# KiCad board accurate2_eval.kicad_pcb (continued)
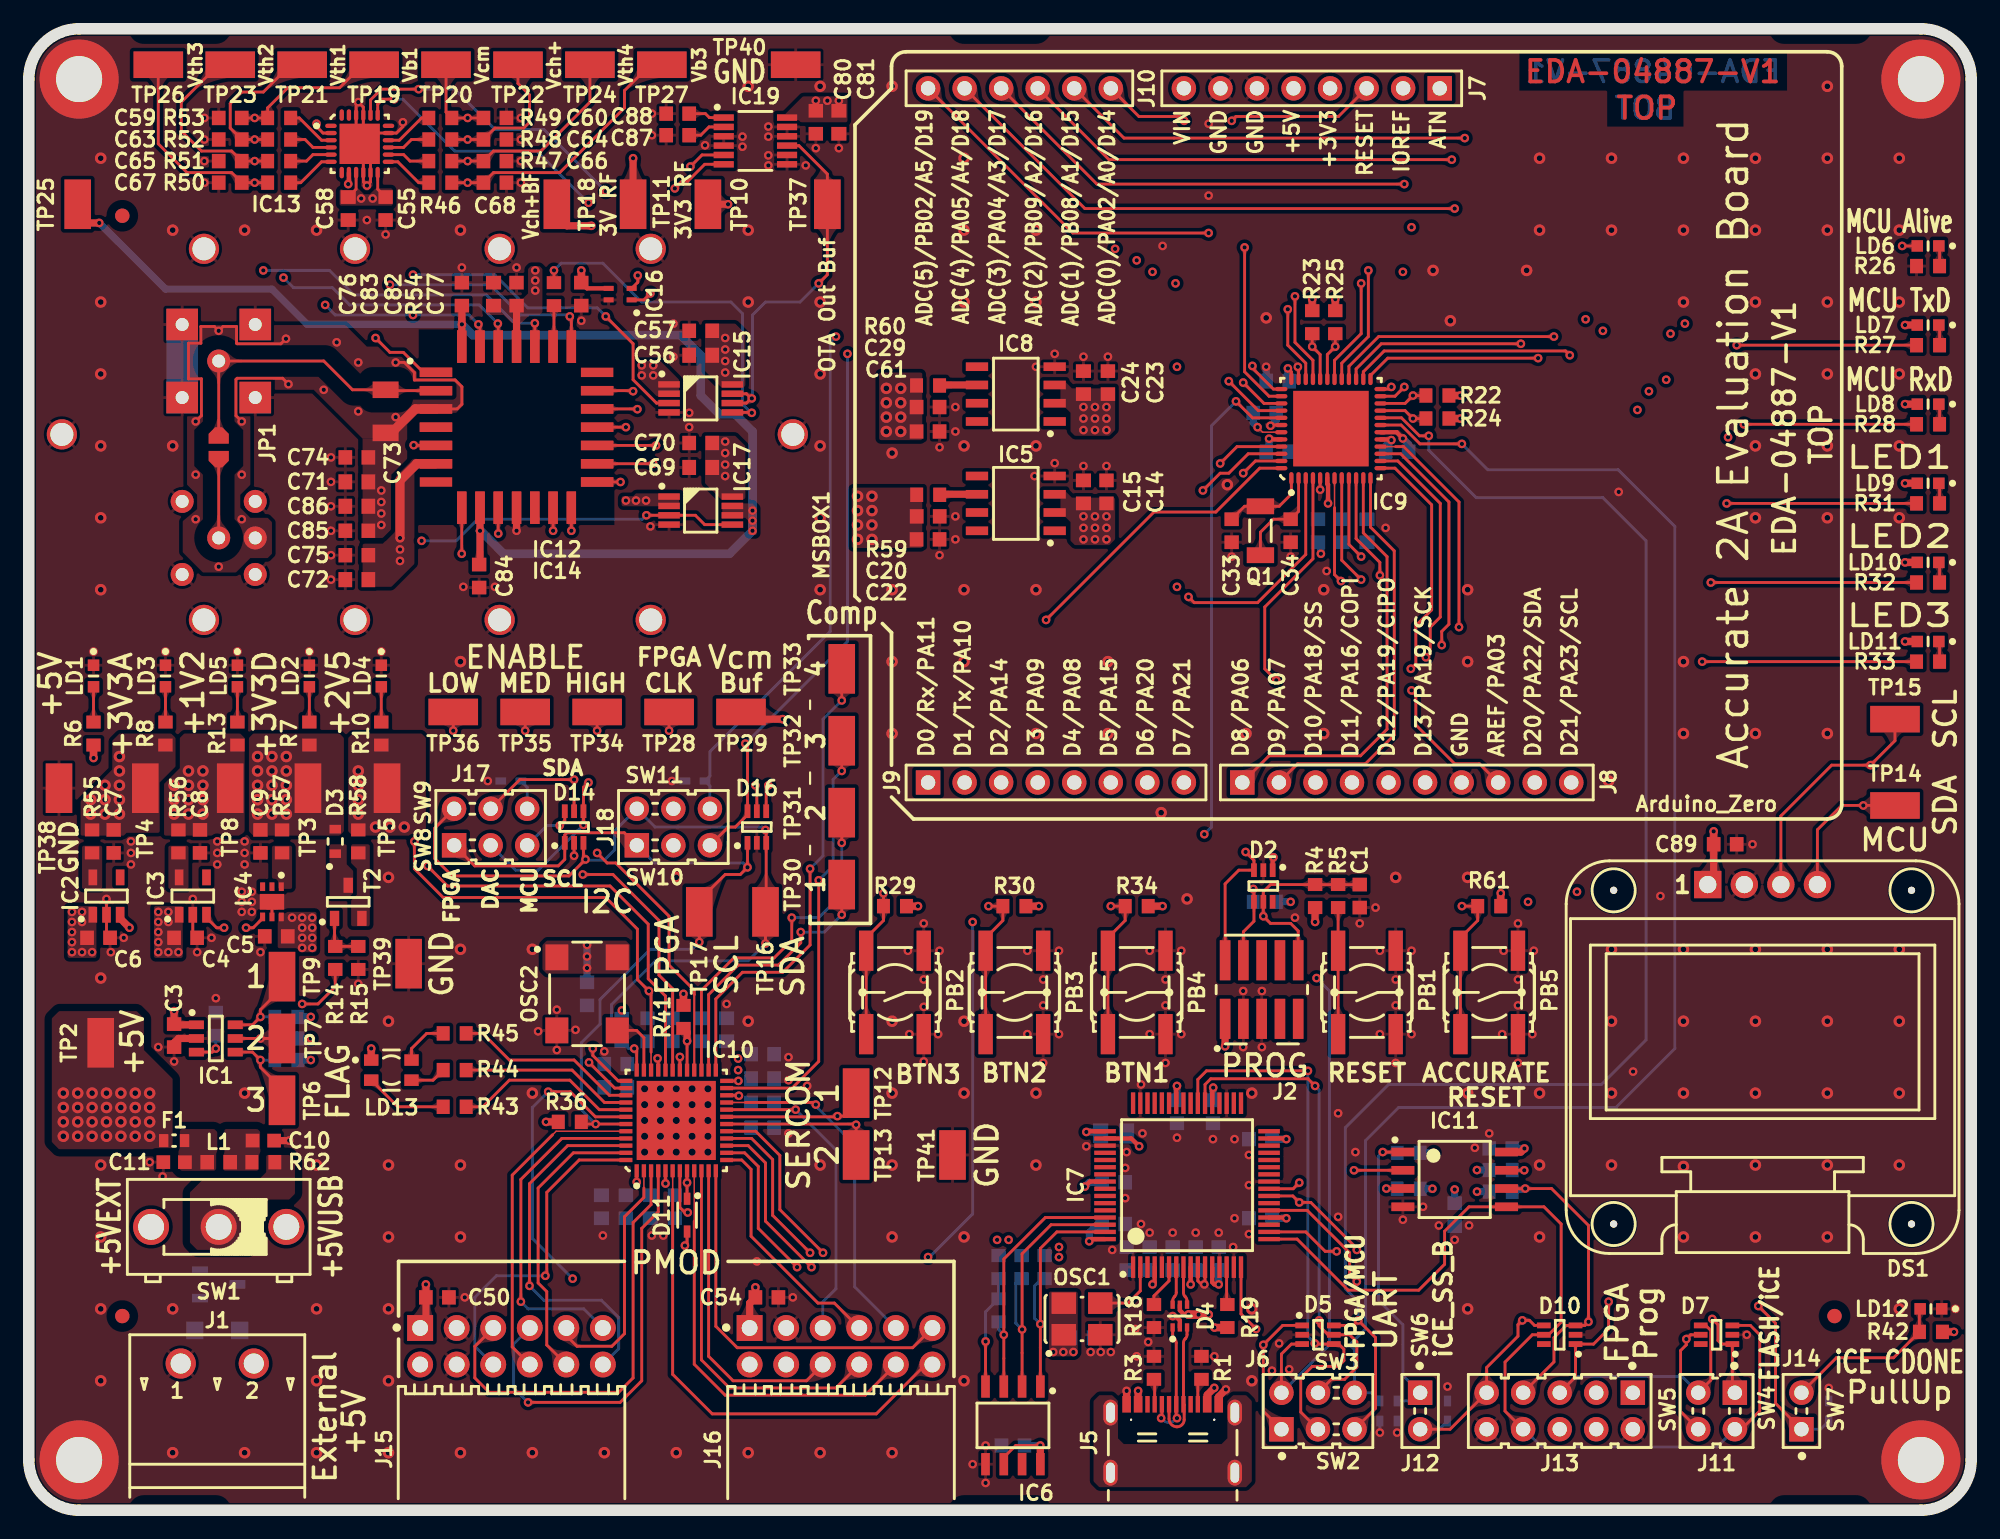
[diagram p0: board, top side]
## Routing (per net, layer and track width the routed paths; a pad name or vN(x,y) marks a point on that pad's centre or on a via; arc(x,y) is an arc through that point) (continued)
/ACCURATE ASIC/A1_Vbias1: length 35.1
  Top w0.2: C59.1 R53.2 16.6,97.5 18,98.9 21.6,98.9 23.2,100.5 TP19.1 ; v1(24.1,81.5) 25.1,80.5 26.04,80.5 27.43,79.11 IC12.1
  L4_SIG w0.2: v1(15.7,96.8) 19.3,93.2 19.3,86.3 v1(24.1,81.5)
/ACCURATE ASIC/A1_Vbias3: length 50.2
  Top w0.2: TP27.1 43.2,100.5 41.4,98.7 41.4,97.5 36.9,93 32.3,93 C68.1 R46.2 ; v1(32.63,67.9) IC12.10
  NotUsed w0.2: v1(30.5,92.3) 30.4,92.3
  L4_SIG w0.2: v1(32.63,67.9) 32.03,67.3 29.9,67.3 28.2,69 28.2,90 v1(30.5,92.3)
/ACCURATE ASIC/A1_Vcharge+: length 44.2
  Top w0.2: R48.2 C64.1 32.4,96.1 34.4,96.1 34.8,96.5 34.8,98.4 34,99.2 TP22.1 ; v1(40.1,83) 42,81.1 42,78.6 43.62,76.97 IC15.3
  L4_SIG w0.2: v1(30.5,95.3) 26.7,91.5 v1(26.7,85.9)
  Bottom w0.2: v1(40.1,83) 39.5,83.6 34.67,83.6 32.38,85.9 v1(26.7,85.9)
/ACCURATE ASIC/A1_Vcharge+_buf: length 22
  Top w0.5: v1(39.1,89.3) 37.4,89.3 36.7,90 TP18.1
  Top w0.65: v1(25.8,67.6) 25.8,71.6 26.96,72.76 IC12.6
  L3_SIG w0.5: v1(42.6,79.6) 42,79.6 39.4,82.2 39.4,89 v1(39.1,89.3)
  vias: v1(25.8,66.8) v1(25.8,66) v1(42.6,78.9) v1(43.4,79.6) v1(43.4,78.9)
/ACCURATE ASIC/A1_Vth1: length 47.7
  Top w0.2: v1(31.25,82.45) 31.36,82.34 IC12.27 ; v1(26.75,74.05) 26.77,74.03 IC12.5 ; R52.2 C63.1 14,96.1 14,97.8 14.8,98.6 16.3,98.6 18.2,100.5 TP21.1
  L4_SIG w0.2: v1(26.75,74.05) 26.7,74.1 v1(26.7,83.1) ; v1(20.6,83.8) 18.3,86.1 18.3,92.7 v1(15.7,95.3)
  Bottom w0.2: v1(20.6,83.8) 21.3,83.1 30.6,83.1 v1(31.25,82.45)
/ACCURATE ASIC/A1_Vth2: length 40.1
  Top w0.2: TP23.1 13.2,100.5 10.6,97.9 10.6,95.9 12,94.5 14.1,94.5 C65.1 R51.2 ; IC12.26 32.63,82.47 v1(32.6,82.5)
  L4_SIG w0.2: v1(17.7,85.7) 17.3,86.1 17.3,92.2 v1(15.7,93.8)
  Bottom w0.2: v1(32.6,82.5) 31.3,83.8 22.3,83.8 21.1,85 18.4,85 v1(17.7,85.7)
/ACCURATE ASIC/A1_Vth3: length 42.6
  Top w0.2: IC12.24 v1(35.17,82.53) ; R50.2 C67.1 14.1,93 11,93 9,95 TP26.1
  L4_SIG w0.2: v1(15.7,92.3) 16.3,91.7 v1(16.3,86.2)
  Bottom w0.2: v1(16.3,86.2) 20.9,86.2 22.6,84.5 31.8,84.5 33.77,82.53 v1(35.17,82.53)
/ACCURATE ASIC/A1_Vth4: length 47.1
  Top w0.2: TP24.1 39,97.9 35.6,94.5 32.3,94.5 C66.1 R47.2 ; IC12.8 v1(30.09,66.5)
  L4_SIG w0.2: v1(30.5,93.8) 27.4,90.7 27.4,68.6 29.5,66.5 v1(30.09,66.5)
/ACCURATE ASIC/ACCURATE_RESET: length 153.8
  Top w0.1: 43.25,31.85 IC10.34
  Top w0.2: PB5.1 PB5.2 99.5,39.8 100.7,41 R61.1 v1(99.6,42) ; 43.25,31.85 43.25,35.95 v1(43.1,36.1) 42.3,36.9 42.3,40.4 40.1,42.6 28.8,42.6 26.8,44.6 v1(26.8,46.5) ; 37.71,82.89 v1(37.6,83) ; IC12.22 37.71,82.84
  L3_SIG w0.2: v1(99.6,42) 97.2,39.6 60.5,39.6 59.6,38.7 45.7,38.7 v1(43.1,36.1)
  L4_SIG w0.2: v1(25.1,85.2) 25,85.1 25,65.2 26.8,63.4 v1(26.8,46.5)
  Bottom w0.2: v1(37.6,83) 37.5,83.1 34.16,83.1 32.06,85.2 v1(25.1,85.2)
/ACCURATE ASIC/ADC_SCL: length 59
  Top w0.2: 48.3,94.22 46.79,94.22 v1(45.98,93.42) ; D16.4 51.25,50.25 v1(51.4,50.4)
  L3_SIG w0.2: v1(51.4,50.4) 51.4,49.1 49.8,47.5 46.07,47.5 J18.3
  L4_SIG w0.2: v1(51.4,50.4) 51.4,55 50.9,55.5 50.9,82 45.8,87.1 45.8,93.24 v1(45.98,93.42)
/ACCURATE ASIC/ADC_SDA: length 56.1
  Top w0.2: v1(44.9,91.9) 45.4,92.4 45.8,92.4 46.97,93.58 IC19.6 ; D16.5 50.6,50.3 v1(50.5,50.4)
  L3_SIG w0.2: v1(50.5,50.4) 46.43,50.4 J18.4
  L4_SIG w0.2: v1(50.5,50.4) 50.5,54.5 49.6,55.4 49.6,82.1 44.9,86.8 v1(44.9,91.9)
/ACCURATE ASIC/Comp1: length 63.2
  Top w0.2: v1(53.65,40.2) 53.65,39.45 52.1,37.9 49.3,37.9 47.25,35.85 IC10.26 ; v1(56.5,41.4) TP30.1 ; IC12.19 42.28,76.57 v1(42.3,76.55)
  L3_SIG w0.2: v1(53.65,40.2) 53.65,61.45 42.7,72.4 42.7,76.15 v1(42.3,76.55)
  Bottom w0.2: v1(56.5,41.4) 55.3,40.2 v1(53.65,40.2)
/ACCURATE ASIC/Comp2: length 65.6
  Top w0.2: IC12.18 v1(41.5,75.3) ; IC10.27 46.75,36.15 49,38.4 51.8,38.4 53.03,39.63 v1(53.03,41.2) ; v1(56.5,46.4) TP31.1
  L3_SIG w0.2: v1(53.03,41.2) 53.03,61.07 41.8,72.3 41.8,75 v1(41.5,75.3)
  Bottom w0.2: v1(53.03,41.2) 54.9,41.2 56.5,42.8 v1(56.5,46.4)
/ACCURATE ASIC/Comp3: length 69.1
  Top w0.2: IC10.23 53.05,29.35 54.9,31.2 v1(54.9,43.8) ; v1(56.5,51.4) TP32.1 ; IC12.17 v1(43.6,74.03)
  L3_SIG w0.2: v1(54.9,43.8) 54.9,62.2 44.7,72.4 44.7,72.93 v1(43.6,74.03)
  Bottom w0.2: v1(54.9,43.8) 55.9,44.8 55.9,50.8 v1(56.5,51.4)
/ACCURATE ASIC/Comp4: length 69.7
  Top w0.2: TP33.1 v1(56.5,56.3) ; v1(54.3,44.6) 54.3,39.3 52.4,37.4 49.6,37.4 47.75,35.55 IC10.25 ; IC12.16 v1(43.4,72.76)
  L3_SIG w0.2: v1(43.4,72.76) 43.4,72.7 54.3,61.8 v1(54.3,44.6)
  Bottom w0.2: v1(54.3,44.6) 55.2,45.5 55.2,55 v1(56.5,56.3)
/ACCURATE ASIC/DAC_SCL: length 86.1
  Top w0.2: IC16.2 42.33,85.38 v1(42.33,85.85) ; v1(27.1,98.8) 24.5,98.8 23.75,98.05 IC13.20 ; v1(38.9,50.6) 38.55,50.25 D14.4 v1(38.55,47.65)
  L4_SIG w0.2: v1(38.9,50.6) 39.8,51.5 46.4,51.5 47.8,52.9 47.8,82 43.95,85.85 v1(42.33,85.85) 42.3,85.85 40.7,87.45 40.7,91.1 v1(40.1,91.7)
  Bottom w0.2: v1(40.1,91.7) 35.8,96 32.4,96 29.6,98.8 v1(27.1,98.8) ; J17.3 33.83,44.5 35.4,44.5 v1(38.55,47.65)
/ACCURATE ASIC/DAC_SDA: length 80.4
  Top w0.2: J17.4 34.13,50.8 v1(37.9,50.8) D14.5 ; v1(43.2,84.6) 42.75,84.15 IC16.1 ; v1(25.4,98.1) 24.6,98.1 24.25,97.75 IC13.19
  L4_SIG w0.2: v1(37.9,50.8) 39.4,52.3 45.6,52.3 46.7,53.4 46.7,81.8 43.9,84.6 v1(43.2,84.6) 42.3,84.6 39.85,87.05 39.85,89.95 v1(38.9,90.9)
  Bottom w0.2: v1(25.4,98.1) 26,98.1 29.6,94.5 35.3,94.5 v1(38.9,90.9)
/ACCURATE ASIC/Enable.High: length 47.6
  Top w0.15: IC10.28 46.25,35.85
  Top w0.2: v1(39.5,45.7) 40.2,45 40.8,45 44.5,41.3 44.5,37.9 46.25,36.15 46.25,35.85 ; v1(39.5,54.2) TP34.1 ; v1(41.13,71.49) IC12.15
  L3_SIG w0.2: v1(39.5,54.2) v1(39.5,45.7)
  L4_SIG w0.2: v1(39.5,54.2) 39.5,69.01 41.13,70.63 v1(41.13,71.49)
/ACCURATE ASIC/Enable.Low: length 67.7
  Top w0.2: IC12.13 v1(36.44,68.1) ; TP36.1 v1(29.5,54.2) ; IC10.32 44.25,35.75 43.05,36.95 43.05,40.75 40.4,43.4 29.1,43.4 v1(27.7,44.8)
  L3_SIG w0.2: v1(27.7,44.8) 27.7,52.4 v1(29.5,54.2)
  L4_SIG w0.2: v1(29.5,54.2) 29.5,55.9 30,56.4 30,56.75 29.71,57.05 29.71,57.4 30.06,57.75 30.41,57.75 31.35,56.81 31.71,56.81 32.06,57.17 32.06,57.52 31.12,58.46 31.12,58.81 31.47,59.17 31.83,59.17 32.77,58.23 33.12,58.23 33.47,58.58 33.47,58.94 32.54,59.87 32.54,60.23 32.89,60.58 33.24,60.58 33.54,60.29 33.89,60.29 34.8,61.2 34.8,62.25 35.05,62.5 35.46,62.5 35.71,62.75 35.71,63.25 35.46,63.5 34.14,63.5 33.89,63.75 33.89,64.25 34.14,64.5 34.55,64.5 34.8,64.75 34.8,66.46 v1(36.44,68.1)
/ACCURATE ASIC/Enable.Medium: length 59.1
  Top w0.2: TP35.1 v1(34.5,54.2) ; IC12.14 v1(37.71,68.1) ; IC10.31 44.75,36.25 43.8,37.2 43.8,41 40.6,44.2 v1(38.5,44.2)
  L3_SIG w0.2: v1(38.5,44.2) 38,44.2 36.1,46.1 36.1,52.6 v1(34.5,54.2)
  L4_SIG w0.2: v1(37.71,68.1) 37.71,67.06 37.96,66.81 38.37,66.81 38.62,66.56 38.62,66.06 38.37,65.81 37.05,65.81 36.8,65.56 36.8,65.06 37.05,64.81 38.37,64.81 38.62,64.56 38.62,64.06 38.37,63.81 37.05,63.81 36.8,63.56 36.8,63.06 37.05,62.81 38.37,62.81 38.62,62.56 38.62,62.06 38.37,61.81 37.96,61.81 37.71,61.56 37.71,60.51 36.97,59.77 36.62,59.77 36.33,60.07 35.97,60.07 35.62,59.71 35.62,59.36 36.56,58.42 36.56,58.07 36.21,57.71 35.85,57.71 34.91,58.65 34.56,58.65 34.3,58.39 34.3,58.1 34.5,57.9 v1(34.5,54.2)
/ACCURATE ASIC/FPGA_CLK: length 56.5
  Top w0.2: v1(42,77.8) 41.96,77.84 IC12.20 ; IC10.37 40.97,29.85 39.2,31.62 v1(39.2,32.1) ; TP28.1 v1(44.5,54.2)
  L3_SIG w0.2: v1(39.2,32.1) 39.2,34.3 40.77,35.87 40.77,50.47 v1(44.5,54.2)
  L4_SIG w0.2: v1(44.5,54.2) 44.75,54.45 44.75,75.05 v1(42,77.8)
/ACCURATE ASIC/FPGA_SCL: length 54
  Top w0.2: v1(46.6,39.5) TP17.1 46.6,42.4 48.4,44.2 49.45,44.2 v1(49.95,44.7) D16.1 ; 38.57,26.83 R36.1 ; IC10.43 38.72,26.85 ; J18.1 41.39,47.1 37.4,47.1 37.25,46.95 D14.1 37.25,45.25 36.8,44.8 30.99,44.8 J17.1
  Bottom w0.2: J18.1 42.27,46.23 43.5,45 49.65,45 v1(49.95,44.7) ; v1(46.6,39.5) 46.1,39 43.2,39 39.7,35.5 39.7,33.8 38.4,32.5 38.4,27.85 v1(39.4,26.85)
/ACCURATE ASIC/FPGA_SDA: length 58
  Top w0.2: v1(51.2,47.3) 51.25,47.25 D16.3 51.25,41.65 TP16.1 v1(51.2,39.4) ; IC10.36 42.25,31.93 v1(42.08,32.1) ; J17.2 28.2,47.41 28.2,45.32 29.42,44.1 37.54,44.1 v1(38.69,45.25) 38.55,45.39 D14.3
  Bottom w0.2: v1(51.2,47.3) 51,47.5 43.53,47.5 J18.2 40.7,47.21 40.7,45.9 40,45.2 38.74,45.2 v1(38.69,45.25) ; v1(51.2,39.4) 50,38.2 43.55,38.2 40.5,35.15 40.5,33.3 R35.1 41.7,32.1 v1(42.08,32.1)
/ACCURATE ASIC/MCU_SCL: length 183.9
  Top w0.2: v1(49.8,53.3) 49.95,53.15 D16.6 49.95,48.35 49.1,47.5 48.61,47.5 J18.5 ; DS1.3 121.77,48.27 125.3,51.8 v1(128,51.8) 129.7,53.5 TP15.1 ; IC9.32 89.75,80.35 v1(89.2,80.9) R23.1 ; v1(36.9,47.6) 37.25,47.95 D14.6
  L3_SIG w0.2: v1(56.9,80.4) 57.4,80.9 v1(89.2,80.9) 89.3,80.9 90.3,79.9 98.7,79.9 100.9,82.1 109.3,82.1 v1(109.4,82) ; v1(128,51.8) 108.41,51.8 J8.10
  L4_SIG w0.2: J18.5 45.81,44.7 36.17,44.7 J17.5 ; J8.10 107.2,52.48 109.4,54.67 v1(109.4,82)
  Bottom w0.2: v1(49.8,53.3) 56.9,60.4 v1(56.9,80.4) ; v1(36.9,47.6) 36.01,47.6 J17.5
/ACCURATE ASIC/MCU_SDA: length 176.4
  Top w0.2: TP14.1 126,49 124.31,47.31 DS1.4 ; IC9.31 90.25,80.35 v1(90.8,80.9) R25.1
  L3_SIG w0.2: v1(108.2,82.8) 108.1,82.9 100.5,82.9 98.5,80.9 v1(90.8,80.9) 89.9,81.8 56.3,81.8 v1(56.1,81.6) ; J8.9 106.26,49 v1(127.5,49)
  L4_SIG w0.2: J17.6 38.87,48.77 40.1,50 46.11,50 J18.6 ; v1(108.2,82.8) 108.2,54.88 104.66,51.34 J8.9
  Bottom w0.2: D15.1 34.64,50.26 J17.6 ; J18.6 47.34,50.36 D17.1 47.34,51.04 47.34,52.74 55.7,61.1 55.7,81.2 v1(56.1,81.6)
/ACCURATE ASIC/OTA1_Out: length 2.9
  Top w0.2: R54.1 36.5,80.96 IC12.23
/ACCURATE ASIC/OTA_Out: length 24.2
  Top w0.2: v1(50.25,76.3) 50.22,76.33 IC15.5 ; R54.2 v1(36.5,86.2)
  Bottom w0.2: v1(50.25,76.3) 50.2,76.3 49.6,76.9 49.6,83.2 48.8,84 42.6,84 39.9,86.7 37,86.7 v1(36.5,86.2)
/ACCURATE ASIC/OTA_Out_Buf: length 25.7
  Top w0.2: 50.2,77.3 49.88,77.62 IC15.7 ; 50.2,77.3 v1(50.25,77.3) ; 50.2,77.3 49.88,76.97 IC15.6 ; IC19.9 53.53,94.88 55.5,92.9 TP37.1 55.5,85.9 v1(54.9,85.3)
  Bottom w0.2: v1(54.9,85.3) 53.6,84 51.2,84 50.3,83.1 50.3,77.35 v1(50.25,77.3)
/ACCURATE ASIC/Vcm: length 60.5
  Top w0.2: IC17.5 46.97,68.53 46.33,69.17 IC17.3 v1(42.92,69.17) ; TP20.1 29,97.2 R49.2 C60.1
  L4_SIG w0.2: v1(30.5,96.8) 26,92.3 26,68.7 v1(27.3,67.4)
  Bottom w0.2: v1(27.3,67.4) 29.7,67.4 31.2,68.9 42.65,68.9 v1(42.92,69.17)
/ACCURATE ASIC/Vcmd: length 89.8
  Top w0.5: IC12.9 31.36,65.81 C84.1 ; C76.1 v1(30.1,82.45) 30.09,82.44 IC12.28 ; v1(4.9,89.5) 3.4,89.5 TP25.1
  Bottom w0.5: v1(4.9,89.5) 9.5,84.9 16.9,84.9 19.35,82.45 v1(30.1,82.45)
  Bottom w0.6: v1(31.36,68.1) 31.4,68.1 33,66.5 48.7,66.5 v1(50.3,68.1) 50.3,75 49.1,76.2 48,76.2 46.7,77.5 46.7,80.3 45.3,81.7 30.85,81.7 v1(30.1,82.45)
  vias: v1(50.3,69.5) v1(50.3,68.8)
/Current_In: length 21.1
  Top w0.2: IC12.2 24.86,77.84 C73.2 22.5,77.9 20.5,79.9 J3.1 13.2,74.72
/FPGA/FPGA_PROG0: length 94.5
  Top w0.2: v1(54.4,16.9) 51.2,20.1 51.2,24.15 50,25.35 IC10.15 ; IC7.16 84.25,13.65 v1(85.3,12.6) ; J13.7 106,10.31 106,12 106.85,12.85 D10.3 108.15,12.85 v1(108.4,13.1) 108.4,19.8 105.84,22.37 v1(104,22.37) IC11.6
  L3_SIG w0.2: v1(54.4,16.9) 56.1,15.2 82.7,15.2 v1(85.3,12.6) 107.9,12.6 v1(108.4,13.1)
  Bottom w0.2: R40.1 103.79,22.15 v1(104,22.37)
/FPGA/FPGA_PROG1: length 68.5
  Top w0.2: J13.8 102.6,6.89 102.6,10.3 104.5,12.2 D10.5 105.62,12.2 106.5,13.07 106.5,19.9 105.31,21.09 IC11.5 100.09,21.09 98.4,19.4 98.4,17.1 96.6,15.3 91.7,15.3 88.15,18.85 IC7.17 ; D7.3 119.65,12.85 120.3,12.2 120.3,6.9 119.03,5.63 J11.2
  Bottom w0.2: 103.92,5.63 105.15,4.4 117.34,4.4 J11.2
/FPGA/FPGA_PROG2: length 59.7
  Top w0.2: J11.3 116.9,9.04 116.9,12.5 116.55,12.85 D7.4 ; v1(109.8,14.5) 109.8,12.6 108.75,11.55 D10.1 107.5,9.27 J13.5 ; IC11.2 v1(92.1,23.63) ; IC7.18 88.75,19.35 90.1,18 v1(90.9,18)
  L3_SIG w0.2: v1(109.8,14.5) 106.9,17.4 91.5,17.4 v1(90.9,18)
  L4_SIG w0.2: v1(92.1,23.63) 91.5,23.03 91.5,18.6 v1(90.9,18)
  Bottom w0.2: J13.5 107.53,9.3 114.9,9.3 J11.3
/FPGA/FPGA_PROG4: length 87.4
  Top w0.2: v1(54.3,17.9) 51.7,20.5 51.7,24.38 50.23,25.85 IC10.16 ; v1(92.3,15.9) 91.8,16.4 91.8,17.9 88.85,20.85 IC7.21 ; J12.2 98.78,5.63 J13.9 101.32,9.92 103.5,12.1 103.5,12.9 v1(103.8,13.2) 104.3,13.2 104.65,12.85 D10.4
  L3_SIG w0.2: v1(54.3,17.9) 56,16.2 92,16.2 v1(92.3,15.9) 93.6,14.6 102.4,14.6 v1(103.8,13.2)
  Bottom w0.2: D8.1 98.03,5.63 J12.2
/FPGA/FPGA_PROG6: length 95.2
  Top w0.2: J14.1 121.4,7.43 121.4,13 v1(120.2,14.2) ; v1(92.3,18.1) 92.3,18.2 89.1,21.4 v1(88.3,21.4) 87.85,21.85 IC7.23 ; IC10.7 45.25,21.05 45.6,20.7 v1(45.8,20.7)
  L3_SIG w0.2: v1(120.2,14.2) 111.5,14.2 107.6,18.1 v1(92.3,18.1) ; v1(88.3,21.4) 87.9,21 47.1,21 46.8,20.7 v1(45.8,20.7)
  Bottom w0.2: D12.1 124.53,5.63 J14.1
/FPGA/FPGA_PROG7: length 47.1
  Top w0.2: IC7.24 87.87,22.35 v1(88.3,22.78) ; D11.1 45.75,21.66 45.75,22.7 ; IC10.8 45.75,22.7 ; 45.75,22.7 v1(45.75,22.78)
  L3_SIG w0.2: v1(45.75,22.78) 46.68,22.78 47,23.1 87.98,23.1 v1(88.3,22.78)
/FPGA/FPGA_RX: length 80.3
  Top w0.2: IC10.42 39.38,27.35 37.63,29.1 v1(36.1,29.1) ; D5.1 87.15,12.85 v1(85.8,11.5) 85.8,6.89 J6.1
  L3_SIG w0.2: v1(85.8,11.5) 84.9,11.5 82.2,14.2 55.1,14.2 53.2,16.1 v1(37.8,16.1)
  Bottom w0.2: v1(36.1,29.1) 35,28 35,18.9 v1(37.8,16.1)
/FPGA/FPGA_TX: length 91.9
  Top w0.2: D5.3 87.75,11.55 87.06,10.86 J6.2 ; IC10.38 40.72,29.35 v1(38.93,31.13)
  L3_SIG w0.2: v1(38.93,31.13) 39.2,31.4 40.25,31.4 46.55,37.7 88.8,37.7 v1(89.5,37)
  Bottom w0.2: v1(89.5,37) 90.4,36.1 90.4,11.51 J6.2
/FPGA/iCE_CDONE_PullUp: length 11.6
  Top w0.2: LD12.2 131.4,13.95 R42.2 129.6,10.6 125.63,10.6 J14.2
/FPGA/iCE_CLK: length 4.3
  Top w0.2: IC10.35 42.75,32.85 42.24,33.36 OSC2.3
/FPGA/iCE_MISO: length 82.6
  Top w0.2: IC10.14 49.75,24.85 50.7,23.9 50.7,19.6 v1(53.4,16.9) ; D7.5 115.5,12.2 v1(115.2,11.9) 115.2,11.5 114.8,11.1 114.8,6.86 J11.4
  L3_SIG w0.2: v1(53.4,16.9) 55.6,14.7 82.45,14.7 85.05,12.1 115,12.1 v1(115.2,11.9)
/FPGA/iCE_MOSI: length 82.7
  Top w0.2: v1(117,13.3) 117.4,12.9 117.4,11.8 117.65,11.55 D7.1 118.4,8.34 J11.1 ; v1(55.2,17.9) 52.2,20.9 52.2,24.67 50.52,26.35 IC10.17
  L3_SIG w0.2: v1(55.2,17.9) 56.4,16.7 106.7,16.7 110.5,12.9 116.6,12.9 v1(117,13.3)
/FPGA/IOB_0: length 25.7
  Top w0.2: v1(34.8,15.6) 34.8,22.7 37.45,25.35 IC10.46
  Bottom w0.2: J15.12 41,11.23 41,13.4 39.8,14.6 35.8,14.6 v1(34.8,15.6)
/FPGA/IOB_2: length 20.2
  Top w0.2: IC10.47 37.85,24.85 35.4,22.4 35.4,15.8 36,15.2 36,11.49 J15.10
/FPGA/IOB_3: length 22.8
  Top w0.1: 36.4,26.1 36.65,26.35 IC10.44
  Top w0.2: 36.4,26.1 33.6,23.3 33.6,11.35 J15.8
/FPGA/IOB_4: length 23
  Top w0.2: IC10.48 38.25,24.35 36,22.1 36,16.4 v1(35.9,16.3)
  Bottom w0.2: J15.6 31,11.41 31,14.8 32.5,16.3 v1(35.9,16.3)
/FPGA/IOB_5: length 23.4
  Top w0.2: IC10.45 37.05,25.85 34.2,23 v1(34.2,14.5)
  Bottom w0.2: v1(34.2,14.5) 34.7,14 38.57,14 J15.11
/FPGA/IOB_6: length 17.1
  Top w0.1: 42.75,22.4 IC10.2
  Top w0.2: J15.9 37.36,12.14 38.1,11.4 40.53,11.4 41.4,12.27 41.4,20.4 42.75,21.75 42.75,22.4
/FPGA/IOB_8: length 29.6
  Top w0.2: IC10.4 43.75,20.75 42.6,19.6 42.6,9 41.1,7.5 v1(34.7,7.5)
  Bottom w0.2: J15.7 33.7,11.55 33.7,8.5 v1(34.7,7.5)
/FPGA/IOB_9: length 30.7
  Top w0.2: J15.5 31,11.39 31,9.2 32,8.2 41,8.2 42,9.2 42,20 43.25,21.25 IC10.3
/FPGA/IOB_13: length 34.8
  Top w0.1: 44.75,22.3 IC10.6
  Top w0.2: 44.75,22.3 44.75,9.45 47.5,6.7 58.9,6.7 62.33,10.13 J16.12
/FPGA/IOB_16: length 29.2
  Top w0.1: 46.25,20.1 IC10.9
  Top w0.2: J16.10 58.13,8 48.4,8 46.25,10.15 46.25,20.1
/FPGA/IOB_18: length 25.6
  Top w0.2: IC10.10 46.75,10.45 48.7,8.5 56.09,8.5 J16.8
/FPGA/IOB_20: length 22
  Top w0.2: IC10.11 47.25,10.7 48.95,9 54.05,9 J16.6
/FPGA/IOB_22: length 27
  Top w0.2: IC10.12 47.75,12.79 49.24,11.3 61.43,11.3 J16.11
/FPGA/IOB_23: length 24.1
  Top w0.1: 49.8,28.35 IC10.21
  Top w0.2: v1(54.7,28.2) 54.55,28.35 49.8,28.35
  Bottom w0.2: J16.9 57.4,15.53 57.4,25.4 54.7,28.1 v1(54.7,28.2)
/FPGA/IOB_24: length 16.8
  Top w0.2: IC10.13 49.55,24.35 50.2,23.7 50.2,19.05 54.85,14.4 55.99,14.4 J16.7
/FPGA/IOB_25: length 21.5
  Top w0.2: IC10.20 v1(53.3,27.85)
  Bottom w0.2: v1(53.3,27.85) 56.1,25.05 56.1,15.4 55.18,14.48 J16.5
/FPGA/RGB0: length 12.7
  Top w0.2: R43.1 31.55,28.05 33.4,29.9 37.6,29.9 39.65,27.85 IC10.41
/FPGA/RGB1: length 12
  Top w0.2: R44.1 37.76,30.6 40.01,28.35 IC10.40
/FPGA/RGB2: length 12.9
  Top w0.2: R45.1 31.55,33.15 33.4,31.3 37.9,31.3 40.35,28.85 IC10.39
/FPGA/SERCOM1: length 121
  Top w0.2: R24.1 v1(96.2,75.9) 95.65,76.45 IC9.21 ; TP12.1 57.5,28 56.9,27.4 v1(56.2,27.4) 56.15,27.35 IC10.19
  L3_SIG w0.2: v1(56.2,27.4) 89.3,27.4 v1(104.2,42.3) ; v1(111.8,76.5) 97.7,76.5 R24.1 v1(96.2,75.9)
  L4_SIG w0.2: v1(111.8,76.5) 111.8,49.9 v1(104.2,42.3)
/FPGA/SERCOM2: length 125.6
  Top w0.2: TP13.1 v1(57.5,26.8) 57.45,26.85 IC10.18 ; IC9.22 95.65,76.95 v1(96.2,77.5) R22.1
  L3_SIG w0.2: v1(57.5,26.8) 91.6,26.8 107.6,42.8 v1(107.6,43) ; v1(112.6,77.8) 112.1,77.8 111.8,77.5 101.35,77.5 100.65,78.2 96.9,78.2 v1(96.2,77.5)
  L4_SIG w0.2: v1(112.6,77.8) 112.9,77.5 112.9,49.4 107.6,44.1 v1(107.6,43)
/MCU.SWCLK: length 41.6
  Top w0.2: 84.42,38.24 84.42,40.22 85.15,40.95 D2.4 85.15,43.15 v1(85.1,43.2) ; IC9.45 83.97,73.95 v1(82.8,72.78)
  L4_SIG w0.2: v1(82.8,72.78) 82.6,72.58 82.6,49.1 85.1,46.6 v1(85.1,43.2)
  Bottom w0.2: v1(85.1,43.2) R2.2
/MCU.SWDIO: length 42.1
  Top w0.2: IC9.46 84.75,73.45 83.4,72.1 82.8,72.1 v1(81.6,70.9) ; 83.15,38.24 83.15,43.55 84.1,44.5 D2.3 85.15,45.19 v1(84.57,45.77)
  L4_SIG w0.2: v1(81.6,70.9) 81.6,48.74 v1(84.57,45.77)
/MCU/BTN1: length 53.6
  Top w0.2: v1(83.9,77.1) 85.05,75.95 IC9.41 ; v1(75.2,42) R34.2 76.2,41 75,39.8 PB4.2 PB4.1
  L3_SIG w0.2: v1(81.7,47) 79,44.3 77.5,44.3 v1(75.2,42)
  Bottom w0.2: v1(83.9,77.1) 82.2,75.4 82.2,47.5 v1(81.7,47)
/MCU/BTN2: length 59.5
  Top w0.2: IC9.48 85.55,72.45 82.5,69.4 78.2,69.4 v1(70.7,61.9) ; v1(66.7,42) R30.2 67.7,41 66.5,39.8 PB3.2 PB3.1
  L3_SIG w0.2: v1(70.7,61.9) 60.5,51.7 60.5,45.4 62.3,43.6 65.1,43.6 v1(66.7,42)
/MCU/BTN3: length 70.9
  Top w0.2: v1(59.4,42.9) R29.2 59.4,41 58.2,39.8 PB2.2 PB2.1 ; v1(85.04,79.56) 85.04,79.41 86.5,77.95 IC9.37
  L3_SIG w0.2: v1(59.4,42.9) 57.9,44.4 57.9,53.1 68,63.2 78.8,63.2 v1(79.8,64.2) ; v1(79.8,79.5) 79.86,79.56 v1(85.04,79.56)
  L4_SIG w0.2: v1(79.8,79.5) v1(79.8,64.2)
/MCU/LED1: length 61.3
  Top w0.2: v1(88,84.4) 88,81.2 89.25,79.95 IC9.33 ; v1(118,70) R31.2
  L3_SIG w0.2: v1(88,84.4) 88.3,84.7 112.9,84.7 v1(115.1,82.5)
  L4_SIG w0.2: v1(115.1,82.5) 117,80.6 117,71 v1(118,70)
/MCU/LED2: length 65.6
  Top w0.2: v1(87.5,83.5) 87.5,81 88.75,79.75 IC9.34 ; v1(116.9,64.5) R32.2
  L3_SIG w0.2: v1(87.5,83.5) 87.7,83.7 112.2,83.7 v1(114.1,81.8)
  L4_SIG w0.2: v1(114.1,81.8) 115.8,80.1 115.8,65.6 v1(116.9,64.5)
/MCU/LED3: length 68.4
  Top w0.2: v1(84.4,78.4) 85.85,76.95 IC9.39 ; v1(116.3,59) R33.2
  L3_SIG w0.2: v1(84.4,78.4) 84.7,78.7 113.7,78.7 v1(113.8,78.6)
  L4_SIG w0.2: v1(113.8,78.6) 114.4,78 114.4,60.9 v1(116.3,59)
/MCU/MCU_Alive: length 58.7
  Top w0.2: v1(130.2,87.9) LD6.2 ; IC9.38 86.2,77.45 84.5,79.15 v1(84.5,87.8)
  L3_SIG w0.2: v1(84.5,87.8) 130.1,87.8 v1(130.2,87.9)
/MCU/MCU_RxD: length 139.2
  Top w0.2: v1(119.2,75.5) R28.2 ; D5.6 92.05,12.85 v1(92.4,13.2) 93.6,12 93.6,7.09 SW2.1 ; v1(97.3,74.7) 96.65,74.7 95.4,75.95 IC9.20
  L3_SIG w0.2: v1(119.2,75.5) 112.4,75.5 111.6,74.7 v1(97.3,74.7)
  Bottom w0.2: v1(92.4,13.2) 92.4,14.5 91.5,15.4 91.5,26.6 94.5,29.6 109.3,29.6 112.4,32.7 112.4,67.4 109.4,70.4 100.6,70.4 97.3,73.7 v1(97.3,74.7)
/MCU/MCU_TxD: length 141.8
  Top w0.2: v1(99.6,74.14) 96.69,74.14 95.38,75.45 IC9.19 ; v1(118.7,81) R27.2
  L3_SIG w0.2: v1(118.1,74.6) 112.4,74.6 111.94,74.14 v1(99.6,74.14)
  L4_SIG w0.2: v1(118.1,74.6) 118.1,80.4 v1(118.7,81)
  Bottom w0.2: D6.1 93.33,8.17 SW3.1 92.14,11.16 91.8,11.5 92.9,12.6 92.9,25.7 95.2,28 110.3,28 114.4,32.1 114.4,68.4 110.46,72.34 101.4,72.34 v1(99.6,74.14)
/MCU/P.A2: length 54.3
  Top w0.2: J10.1 77.16,96.9 80,96.9 v1(80.3,96.6) ; v1(80.6,63.5) 81,63.1 85.4,63.1 88.75,66.45 IC9.3
  L4_SIG w0.2: v1(80.3,96.6) 80.6,96.3 v1(80.6,63.5)
/MCU/P.A3: length 35.4
  Top w0.2: J8.8 100.82,51.9 99.1,51.9 96.4,54.6 96.4,56.7 v1(96.1,57) ; v1(86.7,57.7) 85.9,58.5 85.9,62.8 89.25,66.15 IC9.4
  L3_SIG w0.2: v1(86.7,57.7) 95.4,57.7 v1(96.1,57)
/MCU/P.A4: length 69.9
  Top w0.2: v1(92.6,66.3) 91.75,67.15 IC9.9 ; J10.4 74.24,92.2 v1(95.6,92.2)
  L4_SIG w0.2: v1(92.6,66.3) 96.7,66.3 100.1,69.7 100.1,87.7 v1(95.6,92.2)
/MCU/P.A5: length 75.9
  Top w0.2: v1(93.9,65) 93.9,65.9 92.25,67.55 IC9.10 ; v1(99.1,90.5) 73.4,90.5 J10.5
  L4_SIG w0.2: v1(99.1,90.5) 101,88.6 101,69.2 96.8,65 v1(93.9,65)
/MCU/P.A6: length 29.7
  Top w0.2: IC9.11 92.75,67.95 94.4,66.3 94.4,54.3 92.55,52.45 86.2,52.45 J8.1
/MCU/P.A7: length 27.9
  Top w0.2: IC9.12 93.25,68.35 94.9,66.7 94.9,53.9 92.9,51.9 88.19,51.9 J8.2